# Altium PCB PCB2.PcbDoc (part 2 of 3) (continued)
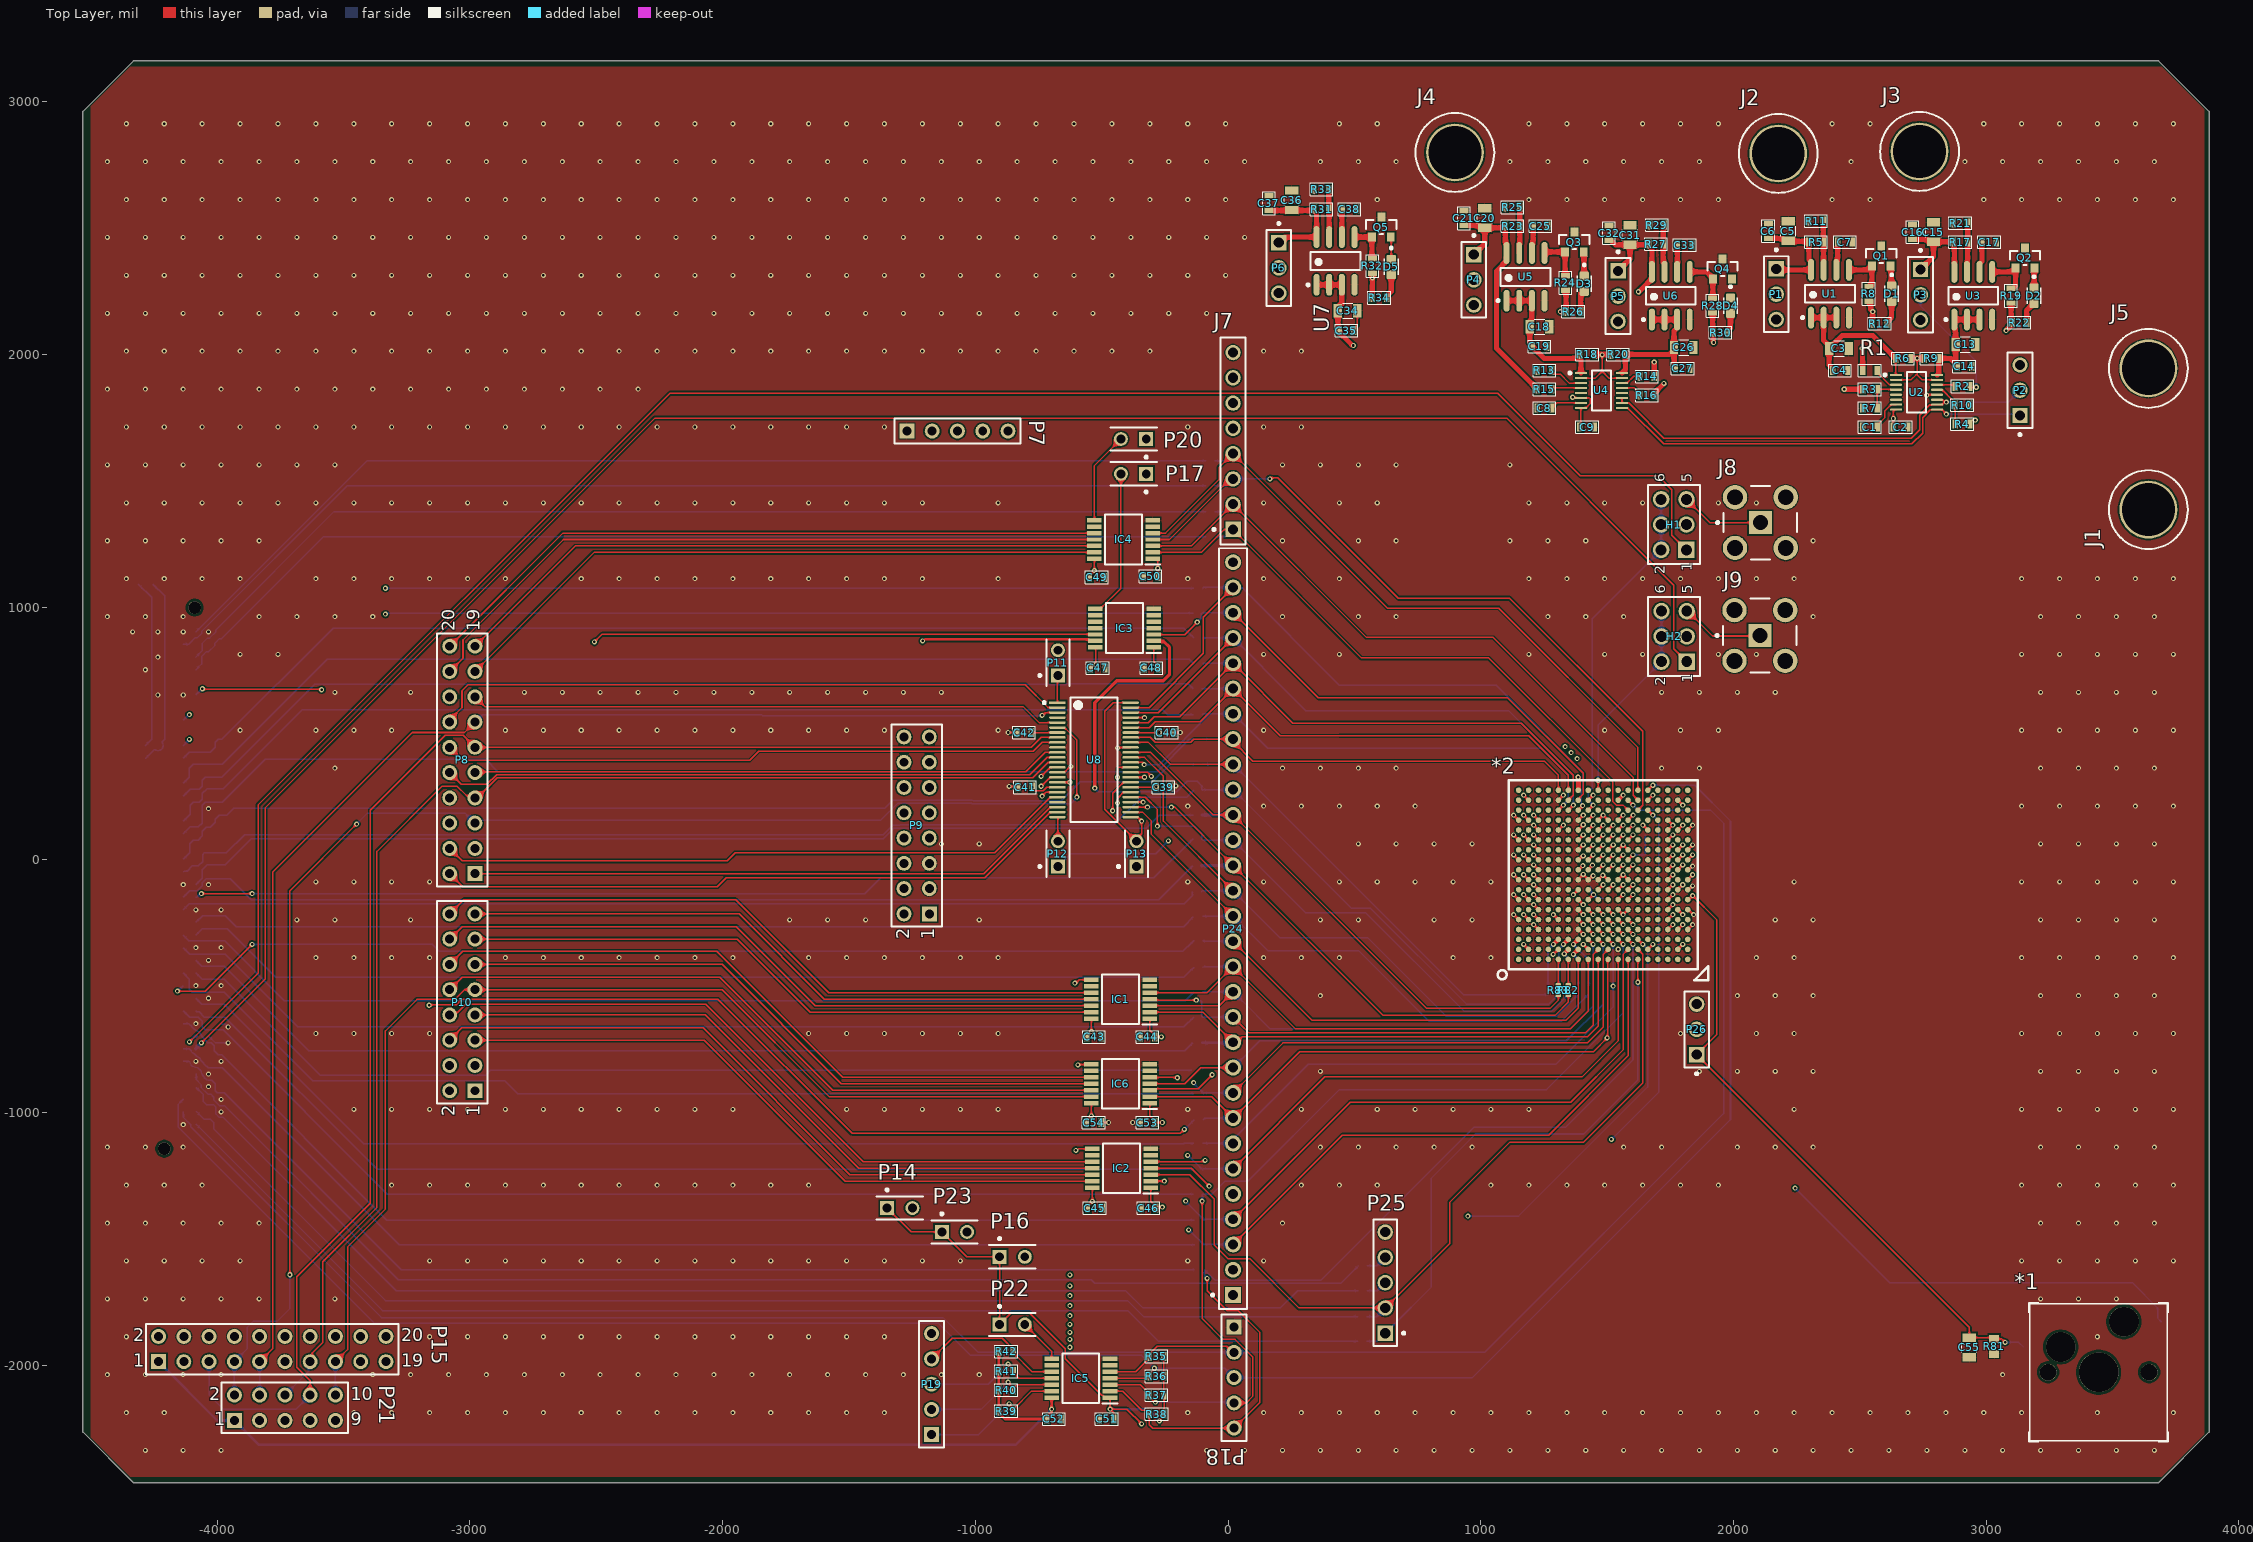
[diagram p0: Top Layer view]
## Nets (pads, with @x,y where several pads share a name; then routed paths per layer and width w, separated by ;. In a path a pad name is that pad's centre, name@x,y a point inside that pad or via, vN(x,y) a via of type N, cw(c..) or ccw(c..) an arc to the next point about the centre after c; other vN are vias at no path point) (continued)
  other v1: -4284.68,-2337.17 -4134.68,-2337.17 -3984.68,-2337.17 -84.68,-2337.17 65.32,-2337.17 215.32,-2337.17 365.32,-2337.17 515.32,-2337.17 665.32,-2337.17 815.32,-2337.17 965.32,-2337.17 1115.32,-2337.17 1265.32,-2337.17 1415.32,-2337.17 1565.32,-2337.17 1715.32,-2337.17 1865.32,-2337.17 2015.32,-2337.17 2165.32,-2337.17 2315.32,-2337.17 2465.32,-2337.17 2615.32,-2337.17 2765.32,-2337.17 2915.32,-2337.17 3065.32,-2337.17 3215.32,-2337.17 3365.32,-2337.17 3515.32,-2337.17 3665.32,-2337.17 -4359.68,-2187.17 -4209.68,-2187.17 -3459.68,-2187.17 -3309.68,-2187.17 -3159.68,-2187.17 -3009.68,-2187.17 -2859.68,-2187.17 -2709.68,-2187.17 -2559.68,-2187.17 -2409.68,-2187.17 -2259.68,-2187.17 -2109.68,-2187.17 -1959.68,-2187.17 -1809.68,-2187.17 -1659.68,-2187.17 -1509.68,-2187.17 -1359.68,-2187.17 -159.68,-2187.17 140.32,-2187.17 290.32,-2187.17 440.32,-2187.17 590.32,-2187.17 740.32,-2187.17 890.32,-2187.17 1040.32,-2187.17 1190.32,-2187.17 1340.32,-2187.17 1490.32,-2187.17 1640.32,-2187.17 1790.32,-2187.17 1940.32,-2187.17 2090.32,-2187.17 2240.32,-2187.17 2390.32,-2187.17 2540.32,-2187.17 2690.32,-2187.17 2840.32,-2187.17 2990.32,-2187.17 3140.32,-2187.17 3440.32,-2187.17 3740.32,-2187.17 -4434.68,-2037.17 -4284.68,-2037.17 -4134.68,-2037.17 -3984.68,-2037.17 -3384.68,-2037.17 -3234.68,-2037.17 -3084.68,-2037.17 -2934.68,-2037.17 -2784.68,-2037.17 -2634.68,-2037.17 -2484.68,-2037.17 -2334.68,-2037.17 -2184.68,-2037.17 -2034.68,-2037.17 -1884.68,-2037.17 -1734.68,-2037.17 -1584.68,-2037.17 -1434.68,-2037.17 -1284.68,-2037.17 -1134.68,-2037.17 -984.68,-2037.17 3065.32,-2037.17 -4359.68,-1887.17 -3159.68,-1887.17 -3009.68,-1887.17 -2859.68,-1887.17 -2709.68,-1887.17 -2559.68,-1887.17 -2409.68,-1887.17 -2259.68,-1887.17 -2109.68,-1887.17 -1959.68,-1887.17 -1809.68,-1887.17 -1659.68,-1887.17 -1509.68,-1887.17 -1359.68,-1887.17 3440.32,-1887.17 -4434.68,-1737.17 -4284.68,-1737.17 -4134.68,-1737.17 -3984.68,-1737.17 -3834.68,-1737.17 -3534.68,-1737.17 3215.32,-1737.17 3365.32,-1737.17 3515.32,-1737.17 -4359.68,-1587.17 -4209.68,-1587.17 -4059.68,-1587.17 -3909.68,-1587.17 -3159.68,-1587.17 -3009.68,-1587.17 -2859.68,-1587.17 -2709.68,-1587.17 -2559.68,-1587.17 -2409.68,-1587.17 -2259.68,-1587.17 -2109.68,-1587.17 -1959.68,-1587.17 -1809.68,-1587.17 -1659.68,-1587.17 -1509.68,-1587.17 -1359.68,-1587.17 -1209.68,-1587.17 -1059.68,-1587.17 -159.68,-1587.17 140.32,-1587.17 3140.32,-1587.17 3290.32,-1587.17 3440.32,-1587.17 3590.32,-1587.17 3740.32,-1587.17 -4434.68,-1437.17 -4284.68,-1437.17 -4134.68,-1437.17 -3984.68,-1437.17 -3834.68,-1437.17 215.32,-1437.17 3215.32,-1437.17 3365.32,-1437.17 3515.32,-1437.17 3665.32,-1437.17 -4359.68,-1287.17 -4209.68,-1287.17 -4059.68,-1287.17 -3309.68,-1287.17 -3159.68,-1287.17 -3009.68,-1287.17 -2859.68,-1287.17 -2709.68,-1287.17 -2559.68,-1287.17 -2409.68,-1287.17 -2259.68,-1287.17 -2109.68,-1287.17 -1959.68,-1287.17 -1809.68,-1287.17 -1659.68,-1287.17 290.32,-1287.17 440.32,-1287.17 590.32,-1287.17 1040.32,-1287.17 1190.32,-1287.17 1340.32,-1287.17 1490.32,-1287.17 1640.32,-1287.17 1790.32,-1287.17 1940.32,-1287.17 3140.32,-1287.17 3290.32,-1287.17 3440.32,-1287.17 3590.32,-1287.17 3740.32,-1287.17 -4434.68,-1137.17 -4284.68,-1137.17 -4134.68,-1137.17 365.32,-1137.17 515.32,-1137.17 665.32,-1137.17 815.32,-1137.17 965.32,-1137.17 1565.32,-1137.17 1715.32,-1137.17 2015.32,-1137.17 2165.32,-1137.17 2315.32,-1137.17 3215.32,-1137.17 3365.32,-1137.17 3515.32,-1137.17 3665.32,-1137.17 -3459.68,-987.17 -3309.68,-987.17 -3159.68,-987.17 -3009.68,-987.17 -2859.68,-987.17 -2709.68,-987.17 -2559.68,-987.17 -2409.68,-987.17 -2259.68,-987.17 -2109.68,-987.17 -1959.68,-987.17 -1509.68,-987.17 -1359.68,-987.17 -1209.68,-987.17 -1059.68,-987.17 -909.68,-987.17 -159.68,-987.17 290.32,-987.17 590.32,-987.17 740.32,-987.17 890.32,-987.17 1040.32,-987.17 1190.32,-987.17 2240.32,-987.17 3140.32,-987.17 3290.32,-987.17 3440.32,-987.17 3590.32,-987.17 3740.32,-987.17 365.32,-837.17 1865.32,-837.17 2015.32,-837.17 2165.32,-837.17 2315.32,-837.17 3215.32,-837.17 3365.32,-837.17 3515.32,-837.17 3665.32,-837.17 -3609.68,-687.17 -3459.68,-687.17 -3309.68,-687.17 -3159.68,-687.17 -1659.68,-687.17 -1509.68,-687.17 -1359.68,-687.17 -1209.68,-687.17 -1059.68,-687.17 -909.68,-687.17 1790.32,-687.17 2090.32,-687.17 2240.32,-687.17 3140.32,-687.17 3290.32,-687.17 3440.32,-687.17 3590.32,-687.17 3740.32,-687.17 365.32,-537.17 2015.32,-537.17 2165.32,-537.17 2315.32,-537.17 3215.32,-537.17 3365.32,-537.17 3515.32,-537.17 3665.32,-537.17 -3609.68,-387.17 -3459.68,-387.17 -3309.68,-387.17 -3159.68,-387.17 -2859.68,-387.17 -2709.68,-387.17 -2559.68,-387.17 -2409.68,-387.17 -2259.68,-387.17 -2109.68,-387.17 -1959.68,-387.17 -1659.68,-387.17 -1509.68,-387.17 -1359.68,-387.17 -1209.68,-387.17 -1059.68,-387.17 -909.68,-387.17 140.32,-387.17 290.32,-387.17 440.32,-387.17 890.32,-387.17 1040.32,-387.17 2090.32,-387.17 2240.32,-387.17 3140.32,-387.17 3290.32,-387.17 3440.32,-387.17 3590.32,-387.17 3740.32,-387.17 -3684.68,-237.17 -3534.68,-237.17 -3234.68,-237.17 -1734.68,-237.17 -1584.68,-237.17 -1434.68,-237.17 -984.68,-237.17 365.32,-237.17 515.32,-237.17 815.32,-237.17 965.32,-237.17 2165.32,-237.17 2315.32,-237.17 3215.32,-237.17 3365.32,-237.17 3515.32,-237.17 3665.32,-237.17 -3609.68,-87.17 -3459.68,-87.17 -3309.68,-87.17 -3159.68,-87.17 -159.68,-87.17 140.32,-87.17 440.32,-87.17 590.32,-87.17 740.32,-87.17 890.32,-87.17 1040.32,-87.17 2240.32,-87.17 3140.32,-87.17 3290.32,-87.17 3440.32,-87.17 3590.32,-87.17 3740.32,-87.17 -1134.68,62.83 -984.68,62.83 515.32,62.83 665.32,62.83 815.32,62.83 965.32,62.83 3215.32,62.83 3365.32,62.83 3515.32,62.83 3665.32,62.83 -159.68,212.83 140.32,212.83 290.32,212.83 440.32,212.83 590.32,212.83 740.32,212.83 3140.32,212.83 3290.32,212.83 3440.32,212.83 3590.32,212.83 3740.32,212.83 -3534.68,362.83 215.32,362.83 365.32,362.83 515.32,362.83 665.32,362.83 1715.32,362.83 1865.32,362.83 3215.32,362.83 3365.32,362.83 3515.32,362.83 3665.32,362.83 -3909.68,512.83 -3609.68,512.83 -3459.68,512.83 -3309.68,512.83 -2859.68,512.83 -2709.68,512.83 -2559.68,512.83 -2409.68,512.83 -2259.68,512.83 -2109.68,512.83 -1959.68,512.83 -1809.68,512.83 -1659.68,512.83 -1509.68,512.83 -1359.68,512.83 -909.68,512.83 140.32,512.83 1490.32,512.83 1790.32,512.83 1940.32,512.83 3140.32,512.83 3290.32,512.83 3440.32,512.83 3590.32,512.83 3740.32,512.83 -3534.68,662.83 -3234.68,662.83 -2784.68,662.83 -2634.68,662.83 -2484.68,662.83 -2334.68,662.83 -2184.68,662.83 -2034.68,662.83 -1884.68,662.83 -1734.68,662.83 -1584.68,662.83 -1434.68,662.83 -1284.68,662.83 -1134.68,662.83 1715.32,662.83 1865.32,662.83 2015.32,662.83 2165.32,662.83 3215.32,662.83 3365.32,662.83 3515.32,662.83 3665.32,662.83 -3909.68,812.83 -3759.68,812.83 140.32,812.83 440.32,812.83 1190.32,812.83 1490.32,812.83 1640.32,812.83 1940.32,812.83 2090.32,812.83 3140.32,812.83 3290.32,812.83 3440.32,812.83 3590.32,812.83 3740.32,812.83 -4434.68,962.83 -4284.68,962.83 -4134.68,962.83 -3834.68,962.83 -3684.68,962.83 -3534.68,962.83 -3384.68,962.83 215.32,962.83 515.32,962.83 665.32,962.83 1265.32,962.83 1415.32,962.83 1565.32,962.83 2315.32,962.83 3215.32,962.83 3365.32,962.83 3515.32,962.83 3665.32,962.83 -4359.68,1112.83 -4209.68,1112.83 -4059.68,1112.83 -3909.68,1112.83 -3609.68,1112.83 -3459.68,1112.83 -3309.68,1112.83 -3159.68,1112.83 -3009.68,1112.83 -2859.68,1112.83 -2559.68,1112.83 -2409.68,1112.83 -2259.68,1112.83 -2109.68,1112.83 -1959.68,1112.83 -1809.68,1112.83 -1659.68,1112.83 -1509.68,1112.83 -1359.68,1112.83 -1209.68,1112.83 -909.68,1112.83 -159.68,1112.83 140.32,1112.83 440.32,1112.83 1190.32,1112.83 1340.32,1112.83 1490.32,1112.83 1640.32,1112.83 1790.32,1112.83 1940.32,1112.83 2090.32,1112.83 2240.32,1112.83 3140.32,1112.83 3290.32,1112.83 3440.32,1112.83 3590.32,1112.83 3740.32,1112.83 -4434.68,1262.83 -4284.68,1262.83 -4134.68,1262.83 -3984.68,1262.83 -3834.68,1262.83 215.32,1262.83 515.32,1262.83 665.32,1262.83 1115.32,1262.83 1265.32,1262.83 1415.32,1262.83 2315.32,1262.83 -4359.68,1412.83 -4209.68,1412.83 -4059.68,1412.83 -3909.68,1412.83 -3759.68,1412.83 -3609.68,1412.83 -3459.68,1412.83 -3309.68,1412.83 -3159.68,1412.83 -3009.68,1412.83 -2859.68,1412.83 -2709.68,1412.83 -2559.68,1412.83 -2409.68,1412.83 -2259.68,1412.83 -2109.68,1412.83 -1959.68,1412.83 -1809.68,1412.83 -1659.68,1412.83 -1509.68,1412.83 -1359.68,1412.83 -1209.68,1412.83 -909.68,1412.83 140.32,1412.83 440.32,1412.83 590.32,1412.83 1190.32,1412.83 1340.32,1412.83 1490.32,1412.83 1640.32,1412.83 1940.32,1412.83 2090.32,1412.83 -4434.68,1562.83 -4284.68,1562.83 -4134.68,1562.83 -3984.68,1562.83 -3834.68,1562.83 -3684.68,1562.83 -3534.68,1562.83 215.32,1562.83 365.32,1562.83 515.32,1562.83 665.32,1562.83 1115.32,1562.83 -4359.68,1712.83 -4209.68,1712.83 -4059.68,1712.83 -3909.68,1712.83 -3759.68,1712.83 -3609.68,1712.83 -3459.68,1712.83 -3309.68,1712.83 -3159.68,1712.83 -3009.68,1712.83 -2859.68,1712.83 -2709.68,1712.83 -2559.68,1712.83 -2409.68,1712.83 -2259.68,1712.83 -2109.68,1712.83 -1959.68,1712.83 -1809.68,1712.83 -1659.68,1712.83 -1509.68,1712.83 -1359.68,1712.83 -159.68,1712.83 140.32,1712.83 290.32,1712.83 -4434.68,1862.83 -4284.68,1862.83 -4134.68,1862.83 -3984.68,1862.83 -3834.68,1862.83 -3684.68,1862.83 -3534.68,1862.83 -3384.68,1862.83 -3234.68,1862.83 -3084.68,1862.83 -2934.68,1862.83 -2784.68,1862.83 -2634.68,1862.83 -2484.68,1862.83 -2334.68,1862.83 -4359.68,2012.83 -4209.68,2012.83 -4059.68,2012.83 -3909.68,2012.83 -3759.68,2012.83 -3609.68,2012.83 -3459.68,2012.83 -3309.68,2012.83 -3159.68,2012.83 -3009.68,2012.83 -2859.68,2012.83 -2709.68,2012.83 -2559.68,2012.83 -2409.68,2012.83 -2259.68,2012.83 -2109.68,2012.83 -1959.68,2012.83 -1809.68,2012.83 -1659.68,2012.83 -1509.68,2012.83 -1359.68,2012.83 -1209.68,2012.83 -1059.68,2012.83 -909.68,2012.83 -759.68,2012.83 -609.68,2012.83 -459.68,2012.83 -309.68,2012.83 140.32,2012.83 290.32,2012.83 -4434.68,2162.83 -4284.68,2162.83 -4134.68,2162.83 -3984.68,2162.83 -3834.68,2162.83 -3684.68,2162.83 -3534.68,2162.83 -3384.68,2162.83 -3234.68,2162.83 -3084.68,2162.83 -2934.68,2162.83 -2784.68,2162.83 -2634.68,2162.83 -2484.68,2162.83 -2334.68,2162.83 -2184.68,2162.83 -2034.68,2162.83 -1884.68,2162.83 -1734.68,2162.83 -1584.68,2162.83 -1434.68,2162.83 -1284.68,2162.83 -1134.68,2162.83 -984.68,2162.83 -834.68,2162.83 -684.68,2162.83 -534.68,2162.83 -384.68,2162.83 -234.68,2162.83 -84.68,2162.83 -4359.68,2312.83 -4209.68,2312.83 -4059.68,2312.83 -3909.68,2312.83 -3759.68,2312.83 -3609.68,2312.83 -3459.68,2312.83 -3309.68,2312.83 -3159.68,2312.83 -3009.68,2312.83 -2859.68,2312.83 -2709.68,2312.83 -2559.68,2312.83 -2409.68,2312.83 -2259.68,2312.83 -2109.68,2312.83 -1959.68,2312.83 -1809.68,2312.83 -1659.68,2312.83 -1509.68,2312.83 -1359.68,2312.83 -1209.68,2312.83 -1059.68,2312.83 -909.68,2312.83 -759.68,2312.83 -609.68,2312.83 -459.68,2312.83 -309.68,2312.83 -159.68,2312.83 -9.68,2312.83 -4434.68,2462.83 -4284.68,2462.83 -4134.68,2462.83 -3984.68,2462.83 -3834.68,2462.83 -3684.68,2462.83 -3534.68,2462.83 -3384.68,2462.83 -3234.68,2462.83 -3084.68,2462.83 -2934.68,2462.83 -2784.68,2462.83 -2634.68,2462.83 -2484.68,2462.83 -2334.68,2462.83 -2184.68,2462.83 -2034.68,2462.83 -1884.68,2462.83 -1734.68,2462.83 -1584.68,2462.83 -1434.68,2462.83 -1284.68,2462.83 -1134.68,2462.83 -984.68,2462.83 -834.68,2462.83 -684.68,2462.83 -534.68,2462.83 -384.68,2462.83 -234.68,2462.83 -84.68,2462.83 65.32,2462.83 -4359.68,2612.83 -4209.68,2612.83 -4059.68,2612.83 -3909.68,2612.83 -3759.68,2612.83 -3609.68,2612.83 -3459.68,2612.83 -3309.68,2612.83 -3159.68,2612.83 -3009.68,2612.83 -2859.68,2612.83 -2709.68,2612.83 -2559.68,2612.83 -2409.68,2612.83 -2259.68,2612.83 -2109.68,2612.83 -1959.68,2612.83 -1809.68,2612.83 -1659.68,2612.83 -1509.68,2612.83 -1359.68,2612.83 -1209.68,2612.83 -1059.68,2612.83 -909.68,2612.83 -759.68,2612.83 -609.68,2612.83 -459.68,2612.83 -309.68,2612.83 -159.68,2612.83 -9.68,2612.83 590.32,2612.83 1190.32,2612.83 1340.32,2612.83 1490.32,2612.83 1640.32,2612.83 1790.32,2612.83 1940.32,2612.83 2390.32,2612.83 2540.32,2612.83 2990.32,2612.83 3140.32,2612.83 3290.32,2612.83 3440.32,2612.83 3590.32,2612.83 3740.32,2612.83 -4434.68,2762.83 -4284.68,2762.83 -4134.68,2762.83 -3984.68,2762.83 -3834.68,2762.83 -3684.68,2762.83 -3534.68,2762.83 -3384.68,2762.83 -3234.68,2762.83 -3084.68,2762.83 -2934.68,2762.83 -2784.68,2762.83 -2634.68,2762.83 -2484.68,2762.83 -2334.68,2762.83 -2184.68,2762.83 -2034.68,2762.83 -1884.68,2762.83 -1734.68,2762.83 -1584.68,2762.83 -1434.68,2762.83 -1284.68,2762.83 -1134.68,2762.83 -984.68,2762.83 -834.68,2762.83 -684.68,2762.83 -534.68,2762.83 -384.68,2762.83 -234.68,2762.83 -84.68,2762.83 65.32,2762.83 365.32,2762.83 515.32,2762.83 665.32,2762.83 1115.32,2762.83 1265.32,2762.83 1415.32,2762.83 1565.32,2762.83 1715.32,2762.83 1865.32,2762.83 2465.32,2762.83 2915.32,2762.83 3065.32,2762.83 3215.32,2762.83 3365.32,2762.83 3515.32,2762.83 3665.32,2762.83 -4359.68,2912.83 -4209.68,2912.83 -4059.68,2912.83 -3909.68,2912.83 -3759.68,2912.83 -3609.68,2912.83 -3459.68,2912.83 -3309.68,2912.83 -3159.68,2912.83 -3009.68,2912.83 -2859.68,2912.83 -2709.68,2912.83 -2559.68,2912.83 -2409.68,2912.83 -2259.68,2912.83 -2109.68,2912.83 -1959.68,2912.83 -1809.68,2912.83 -1659.68,2912.83 -1509.68,2912.83 -1359.68,2912.83 -1209.68,2912.83 -1059.68,2912.83 -909.68,2912.83 -759.68,2912.83 -609.68,2912.83 -459.68,2912.83 -309.68,2912.83 -159.68,2912.83 -9.68,2912.83 440.32,2912.83 590.32,2912.83 1190.32,2912.83 1340.32,2912.83 1490.32,2912.83 1640.32,2912.83 1790.32,2912.83 1940.32,2912.83 2390.32,2912.83 2540.32,2912.83 2990.32,2912.83 3140.32,2912.83 3290.32,2912.83 3440.32,2912.83 3590.32,2912.83 3740.32,2912.83
  other v2: -4134.65,-1047.64 -3984.65,-997.64 -3984.65,-947.64 -4034.65,-897.64 -4034.65,-847.64 -4084.65,-797.64 -3984.65,-797.64 -4084.65,-647.64 -4034.65,-547.64 -4084.65,-497.64 -3984.65,-497.64 -4034.65,-397.64 1543.31,-354.33 -4084.65,-347.64 -3984.65,-347.64 -4084.65,-197.64 -3984.65,-197.64 -4134.65,-97.64 -4034.65,-97.64 -4034.65,202.36 -4234.65,652.36 -4134.65,652.36 -4284.65,752.36 -4234.65,802.36 -4334.65,902.36 -4234.65,902.36 -4134.65,902.36 -4034.65,902.36
GPIO_0: *2.319 IC2.2 P25.1 R43.1 | length 3589.9
  Top Layer w6: IC2.2@-305.59,-1271.65 v2(-251.97,-1271.65) ; v2(1622.05,-484.25) *2.319@1622.05,-393.7
  Misc w6: v2(-251.97,-1271.65) -228.35,-1271.65 -212.6,-1287.4 -212.6,-1598.43 -133.86,-1677.17 90.55,-1677.17 286.61,-1873.23 P25.1@622.05,-1873.23
  Bottom Layer w6: R43.1@549.21,-1905.51 589.76,-1905.51 P25.1@622.05,-1873.23 649.56,-1845.72 803.15,-1692.1 803.15,-1260.53 978.82,-1084.86 1407.27,-1084.86 1622.05,-870.08 v2(1622.05,-484.25)
GPIO_0_3V3: IC2.13 P10.5 | length 2674.5
  Top Layer w5: P10.5@-2980.32,-713.72 -2073.68,-713.72 -1515.75,-1271.65 IC2.13@-536.93,-1271.65
GPIO_1: *2.301 IC2.3 P25.2 R44.1 | length 3358.5
  Top Layer w6: IC2.3@-305.59,-1246.06 -151.57,-1246.06 -55.12,-1342.52 -55.12,-1523.62 0,-1578.74 86.61,-1578.74 281.1,-1773.23 P25.2@622.05,-1773.23 877.95,-1517.32 877.95,-1354.33 1114.17,-1118.11 1405.51,-1118.11 1641.07,-882.55 1641.07,-417.32 1641.07,-373.35 *2.301@1622.05,-354.33
  Bottom Layer w6: R44.1@549.21,-1807.09 588.19,-1807.09 P25.2@622.05,-1773.23
GPIO_1_3V3: IC2.12 P10.6 | length 2804
  Top Layer w5: P10.6@-3080.32,-713.72 -3031.94,-665.35 -2077.77,-665.35 -1497.06,-1246.06 IC2.12@-536.93,-1246.06
GPIO_2: *2.283 IC2.4 P25.3 R45.1 | length 3157.6
  Top Layer w6: IC2.4@-305.59,-1220.47 -145.67,-1220.47 v2(-74.8,-1291.34) ; *2.283@1622.05,-314.96 v2(1641.73,-334.65)
  Misc w6: v2(-74.8,-1291.34) 3.94,-1370.08 82.68,-1370.08 385.83,-1673.23 P25.3@622.05,-1673.23 885.83,-1409.45 v2(948.82,-1409.45)
  Bottom Layer w6: R45.1@551.18,-1704.72 590.55,-1704.72 P25.3@622.05,-1673.23 ; v2(948.82,-1409.45) 1149.61,-1409.45 1660.07,-898.98 1660.07,-352.98 v2(1641.73,-334.65)
GPIO_2_3V3: IC2.11 P10.7 | length 2694.7
  Top Layer w5: P10.7@-2980.32,-613.72 -2067.95,-613.72 -1461.2,-1220.47 IC2.11@-536.93,-1220.47
GPIO_3: *2.50 IC2.5 P25.4 R46.1 | length 3688.1
  Top Layer w6: IC2.5@-305.59,-1194.88 -304.61,-1193.9 -99.26,-1193.9 -94.34,-1188.98 v2(-90.55,-1188.98) ; *2.50@1661.42,196.85 v2(1681.1,177.17)
  Misc w6: v2(-90.55,-1188.98) -70.87,-1169.29 86.61,-1169.29 492.13,-1574.8 P25.4@620.47,-1574.8 ; P25.4@622.05,-1573.23 632.58,-1562.7 632.58,-1540.65 1066.93,-1106.3 v2@1515.75,-1106.3
  Bottom Layer w6: R46.1@551.18,-1606.3 588.98,-1606.3 P25.4@622.05,-1573.23 ; v2(1517.13,-1106.3) 1704.85,-918.57 1704.85,153.42 v2(1681.1,177.17)
GPIO_3_3V3: IC2.10 P10.8 | length 2819.6
  Top Layer w5: P10.8@-3080.32,-613.72 -3069.99,-603.4 -3048.28,-603.4 -3015.75,-570.87 -2066.93,-570.87 -1442.91,-1194.88 IC2.10@-536.93,-1194.88
I2C_0_SCL: *2.30 IC5.5 J6.G2 P18.2 R35.1 | length 9012.9
  Top Layer w5: IC5.5@-467.01,-2025.59 -366.34,-2025.59 -312.2,-1971.46 R35.1@-312.2,-1964.57 -312.2,-1957.68 -279.72,-1925.2 -5.12,-1925.2 18.5,-1948.82 P18.2@23.62,-1948.82
  Top Layer w6: *2.30@1582.68,236.22 v2(1602.36,216.54)
  Bottom Layer w6: J6.G2@-4134.65,-997.64 -4133.92,-998.37 -4133.92,-1019.24 -4105.24,-1047.91 -4105.24,-1056.17 -3350.39,-1811.02 -1127.55,-1811.02 -990.76,-1947.82 -338.36,-1947.82 -337.36,-1948.82 1015.75,-1948.82 1960.63,-1003.94 1960.63,145.67 1909.45,196.85 1622.05,196.85 v2(1602.36,216.54)
I2C_0_SCL_3V3: IC5.10 P19.4 R42.1 | length 571.7
  Top Layer w6: P19.4@-1173.23,-1974.8 -1091.7,-1893.28 -893.7,-1893.28 -893.7,-1893.5 -849.21,-1937.99 R42.1@-849.21,-1944.88 -849.21,-1951.77 -775.39,-2025.59 IC5.10@-698.35,-2025.59
I2C_0_SCL_PM: P2.1 U2.9 U4.9 | length 1736.2
  Top Layer w5: U4.9@1558.62,1788.5 1559.26,1787.86 1582.22,1787.86 1724.41,1645.67 2704.72,1645.67 2748.03,1688.98 2748.03,1749.8 2779.24,1781.01 2805.02,1781.01 U2.9@2805.51,1781.5 2825.27,1781.5 2842.52,1764.25 v2(2842.52,1763.78)
  Bottom Layer w5: v2(2842.52,1763.78) 3128.35,1763.78 P2.1@3133.86,1758.27
I2C_0_SDA: *2.14 IC5.4 J6.G3 P18.3 R36.1 | length 8867.6
  Top Layer w5: IC5.4@-467.01,-2051.18 -320.08,-2051.18 R36.1@-312.2,-2043.31 -312.2,-2036.42 -291.34,-2015.55 v2(-291.34,-2011.81)
  Top Layer w6: *2.14@1661.42,275.59 v2(1681.1,295.28)
  Bottom Layer w5: v2(-291.34,-2011.81) -13.39,-2011.81 P18.3@23.62,-2048.82
  Bottom Layer w6: J6.G3@-4134.65,-947.64 -4155.24,-968.24 -4155.24,-1056.17 -3916.14,-1295.28 -3376.77,-1834.65 -1145.67,-1834.65 -1020.5,-1959.82 -343.33,-1959.82 v2(-291.34,-2011.81) ; P18.3@23.62,-2048.82 966.93,-2048.82 1988.19,-1027.56 1988.19,153.54 1846.46,295.28 v2(1681.1,295.28)
I2C_0_SDA_3V3: IC5.11 P19.3 R41.1 | length 538.4
  Top Layer w6: v2(-870.08,-1996.06) -869.88,-1996.06 -849.21,-2016.73 R41.1@-849.21,-2023.62 -849.21,-2030.51 -828.54,-2051.18 IC5.11@-698.35,-2051.18
  Bottom Layer w6: P19.3@-1173.23,-2074.8 -948.82,-2074.8 v2(-870.08,-1996.06)
I2C_0_SDA_PM: P2.2 U2.10 U2.11 U4.10 U4.11 | length 1805.9
  Top Layer w5: U4.11@1558.62,1827.87 U4.10@1558.62,1808.19 1585.97,1808.19 1602.36,1791.8 1602.36,1791.34 1724.41,1669.29 2703.31,1669.29 2736.22,1702.2 2736.22,1759.84 2776.46,1800.08 2781.79,1800.08 2782.25,1800.54 2804.86,1800.54 U2.10@2805.51,1801.18 2825.74,1801.18 2832.71,1808.15 2839.65,1808.15 v2(2842.52,1811.02) 2839.65,1813.89 2833.62,1813.89 2826.65,1820.87 U2.11@2805.51,1820.87
  Bottom Layer w5: v2(2842.52,1811.02) 3086.61,1811.02 P2.2@3133.86,1858.27
I2C_1_SCL: *2.281 IC5.3 P18.4 R37.1 R50.1 | length 3788.8
  Top Layer w5: IC5.3@-467.01,-2076.77 -346.65,-2076.77 -312.2,-2111.22 R37.1@-312.2,-2118.11 -312.2,-2125 -294.41,-2142.8 -290.27,-2142.8 v2(-287.4,-2145.67)
  Top Layer w6: v2(-102.36,-1350.39) -102.36,-1814.96 -19.69,-1897.64 27.56,-1897.64 98.43,-1968.5 98.43,-2122.05 71.65,-2148.82 P18.4@23.62,-2148.82 ; *2.281@1543.31,-314.96 v2(1562.99,-334.65)
  Bottom Layer w5: v2(-287.4,-2145.67) 20.47,-2145.67 P18.4@23.62,-2148.82
  Bottom Layer w6: v2@-102.36,-1346.61 v2(-102.36,-1350.39) -101.38,-1349.41 -101.38,-1323.82 R50.1@-100.39,-1322.83 -62.99,-1322.83 -11.81,-1271.65 78.15,-1271.65 440.75,-909.06 1260.24,-909.06 1562.99,-606.3 v2(1562.99,-334.65)
I2C_1_SCL_3V3: IC5.12 P19.2 R40.1 | length 545
  Top Layer w6: v2(-870.08,-2066.93) -870.08,-2070.67 R40.1@-849.21,-2091.54 ; R40.1@-849.21,-2098.43 R40.1@-849.21,-2091.54 ; IC5.12@-698.35,-2076.77 -834.45,-2076.77 R40.1@-849.21,-2091.54
  Bottom Layer w6: P19.2@-1173.23,-2174.8 -977.95,-2174.8 v2(-870.08,-2066.93)
I2C_1_SDA: *2.282 IC5.2 P18.5 R38.1 R47.1 | length 3923.1
  Top Layer w5: IC5.2@-467.01,-2102.36 -417.58,-2102.36 -342.24,-2177.7 -319.35,-2177.7 -311.02,-2186.02 R38.1@-311.02,-2192.91 -311.02,-2236.22 -298.43,-2248.82 P18.5@23.62,-2248.82
  Top Layer w6: v2(-82.68,-1656.48) -82.68,-1704.72 -3.4,-1784 39.91,-1784 125.98,-1870.08 125.98,-2146.46 P18.5@23.62,-2248.82 ; *2.282@1582.68,-314.96 v2(1602.36,-334.65)
  Bottom Layer w6: R47.1@-92.52,-1622.05 R47.1@-92.52,-1623.03 ; v2(-82.68,-1656.48) -82.68,-1653.69 -92.52,-1643.85 R47.1@-92.52,-1623.03 ; P18.5@23.62,-2248.82 P18.5@24.02,-2248.43 ; v2(1602.36,-334.65) 1602.36,-791.34 1334.65,-1059.06 972.44,-1059.06 368.81,-1662.69 -52.86,-1662.69 R47.1@-92.52,-1623.03
I2C_1_SDA_3V3: IC5.13 P19.1 R39.1 | length 573
  Top Layer w6: v2(-866.14,-2153.23) -863.46,-2155.91 -863.46,-2159.96 R39.1@-849.21,-2174.21 ; R39.1@-849.21,-2181.1 R39.1@-849.21,-2174.21 ; IC5.13@-698.35,-2102.36 -777.36,-2102.36 R39.1@-849.21,-2174.21
  Bottom Layer w6: P19.1@-1173.23,-2274.8 -987.72,-2274.8 v2(-866.14,-2153.23)
j2: J6.J2
j3: J6.J3
j6: J6.J6
j7: J6.J7
j9: J6.J9
j10: J6.J10
j12: J6.J12
j13: J6.J13
j15: J6.J15
j16: J6.J16
j18: J6.J18
j19: J6.J19
j21: J6.J21
j22: J6.J22
j24: J6.J24
j25: J6.J25
j27: J6.J27
j28: J6.J28
j30: J6.J30
j31: J6.J31
j33: J6.J33
j34: J6.J34
j36: J6.J36
j37: J6.J37
j39: J6.J39
JTAG_STATE_0: *2.318 P24.3 R48.1 U8.35 | length 4483.9
  Top Layer w5: P24.3@19.68,-1522.05 452.24,-1089.5
  Top Layer w6: v2(-437.01,326.85) -437.01,362.2 -433.07,366.14 U8.35@-385.83,366.14 ; 452.24,-1089.5 1268.77,-1089.5 1582.68,-775.59 *2.318@1582.68,-393.7
  Misc w6: v2(-437.01,326.85) -437.01,326.77 -475.73,288.05 -475.73,-980.96 -196.85,-1259.84 -196.85,-1425.2 -157.48,-1464.57 v2(-156.1,-1464.57)
  Bottom Layer w5: R48.1@-96.46,-1523.62 -94.88,-1522.05 P24.3@19.68,-1522.05
  Bottom Layer w6: v2@-155.32,-1463.78 -96.46,-1522.64 R48.1@-96.46,-1523.62
JTAG_STATE_0_3V3: P7.5 U8.14 | length 1499.9
  Top Layer w6: v2(-740.16,330.71) -739.22,330.71 -703.78,366.14 U8.14@-675.23,366.14
  Misc w6: P7.5@-870.87,1696.85 -870.87,569.59 -740.16,438.88 v2(-740.16,330.71)
JTAG_STATE_1: *2.298 P24.9 R54.1 U8.33 | length 3410.2
  Top Layer w6: U8.33@-385.83,326.77 -385.79,326.81 -330.75,326.81 v2(-330.71,326.85) ; P24.9@19.68,-922.05 217.32,-724.41 1421.26,-724.41 1484.25,-661.42 1484.25,-374.02 *2.298@1503.94,-354.33
  Misc w6: v2(-330.71,326.85) -330.71,326.77 -303.65,299.71 -303.65,220.28 -299.9,216.53 -299.9,122.73 -271.65,94.49 -271.65,-279.53 -161.42,-389.76 -161.42,-856.89 v2(-136.42,-881.89)
  Bottom Layer w5: R54.1@-100.39,-925.2 R54.1@-98.43,-923.23 ; R54.1@-96.46,-922.05 P24.9@19.68,-922.05
  Bottom Layer w6: v2@-137.6,-883.07 -97.93,-922.74 -96.46,-924.21 R54.1@-96.46,-925.2
JTAG_STATE_1_3V3: P7.4 U8.16 | length 1580.7
  Top Layer w6: v2(-740.16,291.34) -739.22,291.34 -703.78,326.77 U8.16@-675.23,326.77
  Misc w6: P7.4@-970.87,1696.85 -970.87,522.05 v2(-740.16,291.34)
JTAG_STATE_2: *2.300 P24.4 R49.1 U8.32 | length 4278.6
  Top Layer w5: P24.4@19.68,-1422.05 482.68,-959.06
  Top Layer w6: v2(-456.73,194.31) v2(-456.73,194.31) -456.69,263.84 -413.44,307.09 U8.32@-385.83,307.09 ; 482.68,-959.06 1355.91,-959.06 1562.99,-751.97 1562.99,-374.02 *2.300@1582.68,-354.33
  Misc w6: v2(-456.73,194.31) -456.69,194.27 -456.69,-933.07 -169.29,-1220.47 v2@-169.29,-1349.02
  Bottom Layer w5: R49.1@-95.28,-1422.05 -94.49,-1422.05 P24.4@19.68,-1422.05
  Bottom Layer w6: v2@-169.29,-1349.02 v2(-167.91,-1350.39) ; v2@-168.6,-1351.08 R49.1@-96.46,-1423.23 ; R49.1@-98.43,-1425.2 R49.1@-96.46,-1423.23 ; R49.1@-96.46,-1423.23 -94.49,-1425.2 -94.49,-1422.05 -94.49,-1421.26 -95.28,-1422.05 R49.1@-96.46,-1423.23
JTAG_STATE_2_3V3: P7.3 U8.17 | length 1779.1
  Top Layer w6: U8.17@-675.23,307.09 v2(-625.98,307.09)
  Misc w6: P7.3@-1070.87,1696.85 -1070.87,547.24 -787.4,263.78 -771.16,263.78 -763.97,270.97 -662.1,270.97 v2(-625.98,307.09)
JTAG_STATE_3: *2.317 P24.6 R51.1 U8.30 | length 3869.8
  Top Layer w5: P24.6@19.68,-1222.05 382.68,-859.06
  Top Layer w6: v2(-437.01,224.41) -437.01,244.15 -413.44,267.72 U8.30@-385.83,267.72 ; 382.68,-859.06 1400.79,-859.06 1543.31,-716.54 *2.317@1543.31,-393.7
  Misc w6: v2(-437.01,224.41) -437.01,-929.13 -291.34,-1074.8 -251.97,-1074.8 v2@-160.04,-1166.73
  Bottom Layer w5: R51.1@-100.39,-1224.41 -98.03,-1222.05 P24.6@19.68,-1222.05
  Bottom Layer w6: v2@-159.25,-1168.5 R51.1@-100.39,-1227.36
  other v2: -160.04,-1169.29
JTAG_STATE_3_3V3: P7.2 U8.19 | length 1761.7
  Top Layer w6: v2(-736.22,251.97) -720.47,267.72 U8.19@-675.23,267.72
  Misc w6: P7.2@-1170.87,1696.85 -1170.87,568.7 -853.94,251.78 -736.41,251.78 v2(-736.22,251.97)
JTAG_TCK: *2.42 P24.27 R71.1 U8.46 | length 2365.3
  Top Layer w5: U8.46@-385.83,582.68 -275.59,582.68 P24.27@19.68,877.95
  Top Layer w6: *2.42@1346.46,196.85 v2(1366.14,216.54)
  Bottom Layer w5: R71.1@-100.39,877.95 P24.27@19.68,877.95 255.91,641.73 306.69,590.94 440.75,590.94
  Bottom Layer w6: 440.75,590.94 1109.84,590.94 1365.83,334.96 1365.83,279.14 1366.14,278.82 v2(1366.14,216.54)
JTAG_TCK_3V3: P8.13 P15.9 P21.4 U8.3 | length 5461.2
  Top Layer w6: P15.9@-3832.28,-1985.83 -3779.53,-1933.07 -3779.53,-47.24 -3228.35,503.94 -3021.65,503.94 P8.13@-2980.32,545.28 ; v2(-735.51,571.57) -732.27,571.57 -721.16,582.68 U8.3@-675.23,582.68
  Bottom Layer w6: P21.4@-3832.28,-2118.11 P15.9@-3832.28,-1985.83 ; P8.13@-2980.32,545.28 -2979.53,545.28 -2950,574.8 -1846.97,574.8 -1843.04,570.87 -736.22,570.87 v2(-735.51,571.57)
JTAG_TDI: *2.5 P24.23 R67.1 U8.41 | length 1951.3
  Top Layer w5: U8.41@-385.83,484.25 -307.09,484.25 -287.4,464.57 -148.4,464.57 -135.01,477.95 P24.23@19.68,477.95 19.68,468.5 97.24,390.94 440.75,390.94
  Top Layer w6: 440.75,390.94 1250.79,390.94 1307.09,334.65 1307.09,330.71 *2.5@1307.09,275.59
  Bottom Layer w5: R67.1@-100.39,476.38 -98.82,477.95 P24.23@19.68,477.95
JTAG_TDI_3V3: P8.11 P15.5 P21.8 U8.8 | length 5911.3
  Top Layer w5: P21.8@-3632.28,-2118.11 -3632.28,-2060.63 -3685.04,-2007.87 -3685.04,-1649.61 -3393.7,-1358.27 -3393.7,196.85 -3098.43,492.13 -3027.16,492.13 P8.11@-2980.32,445.28 -779.13,445.28 -740.16,484.25 U8.8@-675.23,484.25
  Bottom Layer w6: P15.5@-4032.28,-1985.83 -4032.28,-2117.32 -3976.38,-2173.23 -3687.4,-2173.23 P21.8@-3632.28,-2118.11
JTAG_TDO: *2.41 P24.24 R68.1 U8.36 | length 2108
  Top Layer w5: U8.36@-385.83,385.83 -338.58,385.83 -332.07,379.31 v2(-332.07,376.59)
  Top Layer w6: *2.41@1307.09,196.85 v2(1326.77,216.54)
  Bottom Layer w5: v2(-332.07,376.59) -273.01,376.59 -71.65,577.95 ; R68.1@-102.36,574.8 -99.21,577.95 -71.65,577.95 ; 515.75,440.94 156.69,440.94 P24.24@19.68,577.95 -71.65,577.95
  Bottom Layer w6: 515.75,440.94 1240.16,440.94 1346.46,334.65 1346.46,236.22 v2(1326.77,216.54)
JTAG_TDO_3V3: P8.7 P15.13 P21.6 U8.13 | length 5179.4
  Top Layer w5: P8.7@-2980.32,245.28 -2971.26,245.28 -2891.76,324.77 -773.65,324.77 -712.6,385.83 U8.13@-675.23,385.83
  Top Layer w6: P15.13@-3632.28,-1985.83 -3624.43,-1977.97 -3624.43,-1951.2 -3582.68,-1909.45 -3582.68,-1590.55 -3368.15,-1376.03 -3368.15,33.42 -3110.24,291.34 -3051.18,291.34 -3013.96,254.12 -2989.16,254.12 P8.7@-2980.32,245.28
  Bottom Layer w6: P21.6@-3732.28,-2118.11 -3638.53,-2024.35 -3638.53,-1992.07 P15.13@-3632.28,-1985.83
JTAG_TMS: *2.6 P24.25 R69.1 U8.43 | length 2121.8
  Top Layer w5: U8.43@-385.83,523.62 -311.02,523.62 -287.4,547.24 -111.02,547.24 P24.25@19.68,677.95 206.69,490.94 440.75,490.94
  Top Layer w6: 440.75,490.94 1190.16,490.94 1346.46,334.65 *2.6@1346.46,275.59
  Bottom Layer w5: R69.1@-104.33,677.17 -103.54,677.95 P24.25@19.68,677.95
JTAG_TMS_3V3: P8.5 P15.7 P21.2 U8.6 | length 5769.8
  Top Layer w6: v2(-3712.6,-1641.73) -3712.6,-122.05 v2(-3448.82,141.73) ; U8.6@-675.23,523.62 -647.61,523.62 -598.43,474.44 v2(-598.43,248.03)
  Bottom Layer w6: P21.2@-3932.28,-2118.11 P15.7@-3932.28,-1985.83 -3881.89,-1935.43 -3881.89,-1850.39 -3858.27,-1826.77 -3763.78,-1826.77 -3712.6,-1775.59 v2(-3712.6,-1641.73) ; v2(-3448.82,141.73) -3405.51,185.04 -3020.08,185.04 P8.5@-2980.32,145.28 -2970.16,155.43 -2952.33,155.43 -2950.27,157.48 -1374.02,157.48 -1306.69,224.8 -1016.66,224.8 -1013.83,221.97 -622.77,221.97 -598.43,246.31 v2(-598.43,248.03)
JTAG_TRST: *2.24 P24.26 R70.1 U8.44 | length 2260.4
  Top Layer w5: U8.44@-385.83,543.31 -314.96,543.31 -291.34,566.93 -191.34,566.93 P24.26@19.68,777.95 256.69,540.94 515.75,540.94 1159.84,540.94 1366.14,334.65
  Top Layer w6: *2.24@1346.46,236.22 1365.83,255.59 1365.83,334.33 1366.14,334.65
  Bottom Layer w5: R70.1@-100.39,775.59 -98.03,777.95 P24.26@19.68,777.95